# KiCad board pcb-rounded.kicad_pcb (continued)
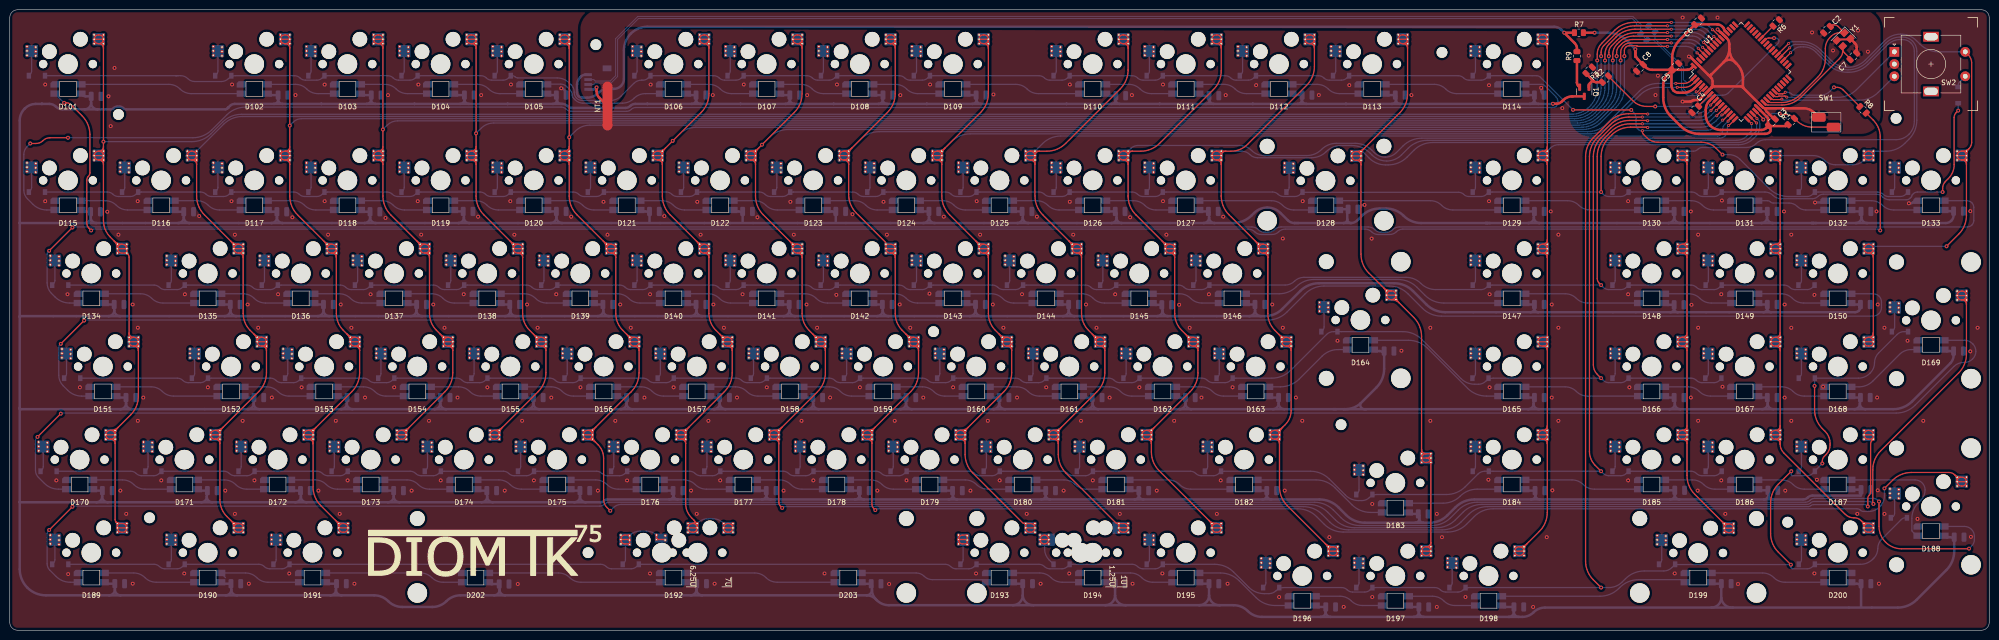
[diagram p0: board, top side]
## Routing (per net, layer and track width the routed paths; a pad name or vN(x,y) marks a point on that pad's centre or on a via; arc(x,y) is an arc through that point) (continued)
Net-(C2-Pad1): length 27.3
  Top w0.25: C2.1 372.47,123.75 arc(372.65,123.87) 372.86,123.91 373.11,123.91 arc(373.55,123.82) 373.92,123.57 374.5,123 arc(374.59,122.55) 374.21,122.29 arc(373.29,122.11) 372.5,121.58 372.25,121.34 arc(371.55,120.28) 371.3,119.03 371.3,117 arc(370.88,114.92) 369.7,113.15 366.16,109.61 arc(364.39,108.43) 362.31,108.01 360.19,108.01 arc(359.83,108.09) 359.52,108.29 U1.24
Net-(C4-Pad1): length 3.4
  Top w0.254: C4.1 347.76,109.7 arc(347.77,109.7) 347.77,109.7 U1.7
Net-(C7-Pad1): length 24.2
  Top w0.25: 376.36,117.04 375.2,118.2 arc(374.95,118.58) 374.85,119.04 374.85,118.61 arc(374.68,117.75) 374.2,117.02 366.27,109.1 arc(364.51,107.92) 362.43,107.51 359.53,107.51 arc(359.2,107.57) 358.92,107.76 U1.23
Net-(D1-Pad2): length 5.2
  Bottom w0.25: D1.2 4.19,113.79 arc(4.39,114.1) 4.47,114.46 MX1.2
Net-(D2-Pad2): length 5.2
  Bottom w0.25: MX2.2 42.57,114.46 arc(42.49,114.1) 42.29,113.79 D2.2
Net-(D3-Pad2): length 5.2
  Bottom w0.25: D3.2 61.34,113.79 arc(61.54,114.1) 61.62,114.46 MX3.2
Net-(D4-Pad2): length 5.2
  Bottom w0.25: MX4.2 80.67,114.46 arc(80.59,114.1) 80.39,113.79 D4.2
Net-(D5-Pad2): length 5.2
  Bottom w0.25: D5.2 99.44,113.79 arc(99.64,114.1) 99.72,114.46 MX5.2
Net-(D6-Pad2): length 5.2
  Bottom w0.25: D6.2 128.01,113.79 arc(128.22,114.1) 128.29,114.46 MX6.2
Net-(D7-Pad2): length 5.2
  Bottom w0.25: MX7.2 147.34,114.46 arc(147.27,114.1) 147.06,113.79 D7.2
Net-(D8-Pad2): length 5.2
  Bottom w0.25: 165.83,113.51 166.11,113.79 arc(166.32,114.1) 166.39,114.46 MX8.2
Net-(D9-Pad2): length 5.2
  Bottom w0.25: D9.2 185.16,113.79 arc(185.37,114.1) 185.44,114.46 MX9.2
Net-(D10-Pad2): length 5.2
  Bottom w0.25: MX10.2 214.02,114.46 arc(213.94,114.1) 213.74,113.79 D10.2
Net-(D11-Pad2): length 5.2
  Bottom w0.25: MX11.2 233.07,114.46 arc(232.99,114.1) 232.79,113.79 D11.2
Net-(D12-Pad2): length 5.2
  Bottom w0.25: D12.2 251.84,113.79 arc(252.04,114.1) 252.12,114.46 MX12.2
Net-(D13-Pad2): length 5.2
  Bottom w0.25: D13.2 270.89,113.79 arc(271.09,114.1) 271.17,114.46 MX13.2
Net-(D14-Pad2): length 5.2
  Bottom w0.25: MX14.2 299.74,114.46 arc(299.67,114.1) 299.46,113.79 D14.2
Net-(D15-Pad2): length 5.2
  Bottom w0.25: MX15.2 4.47,90.65 arc(4.39,90.28) 4.19,89.97 D15.2
Net-(D16-Pad2): length 5.2
  Bottom w0.25: MX16.2 23.52,90.65 arc(23.44,90.28) 23.24,89.97 D16.2
Net-(D17-Pad2): length 5.2
  Bottom w0.25: MX17.2 42.57,90.65 arc(42.49,90.28) 42.29,89.97 D17.2
Net-(D18-Pad2): length 5.2
  Bottom w0.25: D18.2 61.34,89.97 arc(61.54,90.28) 61.62,90.65 MX18.2
Net-(D19-Pad2): length 5.2
  Bottom w0.25: MX19.2 80.67,90.65 arc(80.59,90.28) 80.39,89.97 D19.2
Net-(D20-Pad2): length 5.2
  Bottom w0.25: D20.2 99.44,89.97 arc(99.64,90.28) 99.72,90.65 MX20.2
Net-(D21-Pad2): length 5.2
  Bottom w0.25: D21.2 118.49,89.97 arc(118.69,90.28) 118.77,90.65 MX21.2
Net-(D22-Pad2): length 5.2
  Bottom w0.25: D22.2 137.54,89.97 arc(137.74,90.28) 137.82,90.65 MX22.2
Net-(D23-Pad2): length 5.2
  Bottom w0.25: MX23.2 156.87,90.65 arc(156.79,90.28) 156.59,89.97 D23.2
Net-(D24-Pad2): length 5.2
  Bottom w0.25: MX24.2 175.92,90.65 arc(175.84,90.28) 175.64,89.97 D24.2
Net-(D25-Pad2): length 5.2
  Bottom w0.25: MX25.2 194.97,90.65 arc(194.89,90.28) 194.69,89.97 D25.2
Net-(D26-Pad2): length 5.2
  Bottom w0.25: D26.2 213.74,89.97 arc(213.94,90.28) 214.02,90.65 MX26.2
Net-(D27-Pad2): length 5.2
  Bottom w0.25: MX27.2 233.07,90.65 arc(232.99,90.28) 232.79,89.97 D27.2
Net-(D28-Pad2): length 5.2
  Bottom w0.25: MX28.2 261.64,90.65 arc(261.57,90.28) 261.36,89.97 D28.2
Net-(D29-Pad2): length 5.2
  Bottom w0.25: D29.2 299.46,89.97 arc(299.67,90.28) 299.74,90.65 MX29.2
Net-(D30-Pad2): length 5.2
  Bottom w0.25: D30.2 328.04,89.97 arc(328.24,90.28) 328.32,90.65 MX30.2
Net-(D31-Pad2): length 5.2
  Bottom w0.25: D31.2 347.09,89.97 arc(347.29,90.28) 347.37,90.65 MX31.2
Net-(D32-Pad2): length 5.2
  Bottom w0.25: D32.2 366.14,89.97 arc(366.34,90.28) 366.42,90.65 MX32.2
Net-(D33-Pad2): length 5.2
  Bottom w0.25: D33.2 385.19,89.97 arc(385.39,90.28) 385.47,90.65 MX33.2
Net-(D34-Pad2): length 5.2
  Bottom w0.25: MX34.2 9.23,71.6 arc(9.16,71.23) 8.95,70.92 D34.2
Net-(D35-Pad2): length 5.2
  Bottom w0.25: D35.2 32.76,70.92 arc(32.97,71.23) 33.04,71.6 MX35.2
Net-(D36-Pad2): length 5.2
  Bottom w0.25: MX36.2 52.09,71.6 arc(52.02,71.23) 51.81,70.92 D36.2
Net-(D37-Pad2): length 5.2
  Bottom w0.25: MX37.2 71.14,71.6 arc(71.07,71.23) 70.86,70.92 D37.2
Net-(D38-Pad2): length 5.2
  Bottom w0.25: MX38.2 90.19,71.6 arc(90.12,71.23) 89.91,70.92 D38.2
Net-(D39-Pad2): length 5.2
  Bottom w0.25: D39.2 108.96,70.92 arc(109.17,71.23) 109.24,71.6 MX39.2
Net-(D40-Pad2): length 5.2
  Bottom w0.25: MX40.2 128.29,71.6 arc(128.22,71.23) 128.01,70.92 D40.2
Net-(D41-Pad2): length 5.2
  Bottom w0.25: D41.2 147.06,70.92 arc(147.27,71.23) 147.34,71.6 MX41.2
Net-(D42-Pad2): length 5.2
  Bottom w0.25: D42.2 166.11,70.92 arc(166.32,71.23) 166.39,71.6 MX42.2
Net-(D43-Pad2): length 5.2
  Bottom w0.25: D43.2 185.16,70.92 arc(185.37,71.23) 185.44,71.6 MX43.2
Net-(D44-Pad2): length 5.2
  Bottom w0.25: MX44.2 204.49,71.6 arc(204.42,71.23) 204.21,70.92 D44.2
Net-(D45-Pad2): length 5.2
  Bottom w0.25: D45.2 223.26,70.92 arc(223.47,71.23) 223.54,71.6 MX45.2
Net-(D46-Pad2): length 5.2
  Bottom w0.25: MX46.2 242.59,71.6 arc(242.52,71.23) 242.31,70.92 D46.2
Net-(D47-Pad2): length 5.2
  Bottom w0.25: D47.2 299.46,70.92 arc(299.67,71.23) 299.74,71.6 MX47.2
Net-(D48-Pad2): length 5.2
  Bottom w0.25: MX48.2 328.32,71.6 arc(328.24,71.23) 328.04,70.92 D48.2
Net-(D49-Pad2): length 5.2
  Bottom w0.25: MX49.2 347.37,71.6 arc(347.29,71.23) 347.09,70.92 D49.2
Net-(D50-Pad2): length 5.2
  Bottom w0.25: MX50.2 366.42,71.6 arc(366.34,71.23) 366.14,70.92 365.86,70.64
Net-(D51-Pad2): length 5.2
  Bottom w0.25: MX51.2 11.61,52.55 arc(11.54,52.18) 11.33,51.87 11.05,51.59
Net-(D52-Pad2): length 5.2
  Bottom w0.25: MX52.2 37.8,52.55 arc(37.73,52.18) 37.52,51.87 D52.2
Net-(D53-Pad2): length 5.2
  Bottom w0.25: MX53.2 56.85,52.55 arc(56.78,52.18) 56.57,51.87 D53.2
Net-(D54-Pad2): length 5.2
  Bottom w0.25: D54.2 75.62,51.87 arc(75.83,52.18) 75.9,52.55 MX54.2
Net-(D55-Pad2): length 5.2
  Bottom w0.25: D55.2 94.67,51.87 arc(94.88,52.18) 94.95,52.55 MX55.2
Net-(D56-Pad2): length 5.2
  Bottom w0.25: MX56.2 114,52.55 arc(113.93,52.18) 113.72,51.87 D56.2
Net-(D57-Pad2): length 5.2
  Bottom w0.25: MX57.2 133.05,52.55 arc(132.98,52.18) 132.77,51.87 D57.2
Net-(D58-Pad2): length 5.2
  Bottom w0.25: MX58.2 152.1,52.55 arc(152.03,52.18) 151.82,51.87 D58.2
Net-(D59-Pad2): length 5.2
  Bottom w0.25: MX59.2 171.15,52.55 arc(171.08,52.18) 170.87,51.87 D59.2
Net-(D60-Pad2): length 5.2
  Bottom w0.25: MX60.2 190.2,52.55 arc(190.13,52.18) 189.92,51.87 D60.2
Net-(D61-Pad2): length 5.2
  Bottom w0.25: MX61.2 209.25,52.55 arc(209.18,52.18) 208.97,51.87 D61.2
Net-(D62-Pad2): length 5.2
  Bottom w0.25: MX62.2 228.3,52.55 arc(228.23,52.18) 228.02,51.87 D62.2
Net-(D63-Pad2): length 5.2
  Bottom w0.25: D63.2 247.07,51.87 arc(247.28,52.18) 247.35,52.55 MX63.2
Net-(D64-Pad2): length 5.2
  Bottom w0.25: MX64.2 268.79,62.07 arc(268.71,61.71) 268.51,61.4 D64.2
Net-(D65-Pad2): length 5.2
  Bottom w0.25: MX65.2 299.74,52.55 arc(299.67,52.18) 299.46,51.87 299.18,51.59
Net-(D66-Pad2): length 5.2
  Bottom w0.25: D66.2 328.04,51.87 arc(328.24,52.18) 328.32,52.55 MX66.2
Net-(D67-Pad2): length 5.2
  Bottom w0.25: MX67.2 347.37,52.55 arc(347.29,52.18) 347.09,51.87 346.81,51.59
Net-(D68-Pad2): length 5.2
  Bottom w0.25: MX68.2 366.42,52.55 arc(366.34,52.18) 366.14,51.87 D68.2
Net-(D69-Pad2): length 5.2
  Bottom w0.25: D69.2 385.19,61.4 arc(385.39,61.71) 385.47,62.07 MX69.2
Net-(D70-Pad2): length 5.2
  Bottom w0.25: MX70.2 6.85,33.5 arc(6.77,33.13) 6.57,32.82 D70.2
Net-(D71-Pad2): length 5.2
  Bottom w0.25: D71.2 28,32.82 arc(28.21,33.13) 28.28,33.5 MX71.2
Net-(D72-Pad2): length 5.2
  Bottom w0.25: MX72.2 47.33,33.5 arc(47.26,33.13) 47.05,32.82 D72.2
Net-(D73-Pad2): length 5.2
  Bottom w0.25: MX73.2 66.38,33.5 arc(66.31,33.13) 66.1,32.82 D73.2
Net-(D74-Pad2): length 5.2
  Bottom w0.25: D74.2 85.15,32.82 arc(85.36,33.13) 85.43,33.5 MX74.2
Net-(D75-Pad2): length 5.2
  Bottom w0.25: D75.2 104.2,32.82 arc(104.41,33.13) 104.48,33.5 MX75.2
Net-(D76-Pad2): length 5.2
  Bottom w0.25: MX76.2 123.53,33.5 arc(123.46,33.13) 123.25,32.82 D76.2
Net-(D77-Pad2): length 5.2
  Bottom w0.25: D77.2 142.3,32.82 arc(142.51,33.13) 142.58,33.5 MX77.2
Net-(D78-Pad2): length 5.2
  Bottom w0.25: MX78.2 161.63,33.5 arc(161.56,33.13) 161.35,32.82 D78.2
Net-(D79-Pad2): length 5.2
  Bottom w0.25: D79.2 180.4,32.82 arc(180.61,33.13) 180.68,33.5 MX79.2
Net-(D80-Pad2): length 5.2
  Bottom w0.25: MX80.2 199.73,33.5 arc(199.66,33.13) 199.45,32.82 D80.2
Net-(D81-Pad2): length 5.2
  Bottom w0.25: MX81.2 218.78,33.5 arc(218.71,33.13) 218.5,32.82 D81.2
Net-(D82-Pad2): length 5.2
  Bottom w0.25: D82.2 244.69,32.82 arc(244.9,33.13) 244.97,33.5 MX82.2
Net-(D83-Pad2): length 5.2
  Bottom w0.25: MX83.2 275.93,28.74 arc(275.86,28.37) 275.65,28.06 D83.2
Net-(D84-Pad2): length 5.2
  Bottom w0.25: D84.2 299.46,32.82 arc(299.67,33.13) 299.74,33.5 MX84.2
Net-(D85-Pad2): length 5.2
  Bottom w0.25: MX85.2 328.32,33.5 arc(328.24,33.13) 328.04,32.82 D85.2
Net-(D86-Pad2): length 5.2
  Bottom w0.25: MX86.2 347.37,33.5 arc(347.29,33.13) 347.09,32.82 D86.2
Net-(D87-Pad2): length 5.2
  Bottom w0.25: MX87.2 366.42,33.5 arc(366.34,33.13) 366.14,32.82 D87.2
Net-(D88-Pad2): length 5.2
  Bottom w0.25: 384.91,23.02 385.19,23.3 arc(385.39,23.61) 385.47,23.97 MX88.2
Net-(D89-Pad2): length 5.2
  Bottom w0.25: D89.2 8.95,13.77 arc(9.16,14.08) 9.23,14.45 MX89.2
Net-(D90-Pad2): length 5.2
  Bottom w0.25: MX90.2 33.04,14.45 arc(32.97,14.08) 32.76,13.77 D90.2
Net-(D91-Pad2): length 5.2
  Bottom w0.25: D91.2 54.19,13.77 arc(54.4,14.08) 54.47,14.45 MX91.2
Net-(D92-Pad2): length 24.4
  Top w0.254: MX92.2 126.69,18.51 arc(126.62,18.55) 126.55,18.57 MX92.2 ; MX92.2 133.98,18.51 arc(133.91,18.55) 133.83,18.57 132.71,18.57 arc(132.39,18.7) 132.26,19.02 MX92.2 ; 126.75,19.27 126.75,17.63 arc(126.73,17.6) 126.69,17.61 arc(126.62,17.65) 126.55,17.67 125.8,17.67 arc(125.21,17.91) 124.97,18.5 124.97,18.64 arc(125.21,19.23) 125.8,19.47 126.55,19.47 arc(126.62,19.45) 126.69,19.41 arc(126.73,19.34) 126.75,19.27
  Bottom w0.254: D92.2 125.63,13.77 arc(125.84,14.08) 125.91,14.45 125.91,17.29 arc(126.14,18.44) 126.79,19.41 arc(127.76,20.06) 128.91,20.29 130.2,20.29 arc(131.35,20.06) 132.32,19.41 133.2,18.54
Net-(D93-Pad2): length 13.5
  Top w0.254: MX93.2 195.6,18.57 arc(195.68,18.55) 195.75,18.51 MX93.2 ; 194.03,18.64 194.03,18.5 arc(194.27,17.91) 194.86,17.67 195.6,17.67 arc(195.68,17.65) 195.75,17.61 arc(195.78,17.6) 195.81,17.63 195.81,19.27 arc(195.79,19.34) 195.75,19.41 arc(195.68,19.45) 195.6,19.47 194.86,19.47 arc(194.27,19.23) 194.03,18.64
  Bottom w0.254: D93.2 194.69,13.77 arc(194.89,14.08) 194.97,14.45 MX93.2
Net-(D94-Pad2): length 13.1
  Top w0.254: 210.7,18.57 212.42,18.57 arc(212.44,18.57) 212.46,18.55 MX94.2 ; 212.48,18.58 212.48,18.56 arc(212.21,17.93) 211.59,17.67 arc(210.96,17.93) 210.7,18.56 210.7,18.58 arc(210.96,19.21) 211.59,19.47 arc(212.21,19.21) 212.48,18.58
  Bottom w0.25: D94.2 212.55,14.4 arc(211.87,15.41) 211.64,16.6 211.64,18.54
Net-(D95-Pad2): length 5.2
  Bottom w0.25: D95.2 232.79,13.77 arc(232.99,14.08) 233.07,14.45 MX95.2
Net-(D96-Pad2): length 5.2
  Bottom w0.25: D96.2 256.6,9.01 arc(256.81,9.32) 256.88,9.69 MX96.2
Net-(D97-Pad2): length 5.2
  Bottom w0.25: MX97.2 275.93,9.69 arc(275.86,9.32) 275.65,9.01 D97.2
Net-(D98-Pad2): length 5.2
  Bottom w0.25: D98.2 294.7,9.01 arc(294.91,9.32) 294.98,9.69 MX98.2
Net-(D99-Pad2): length 5.2
  Bottom w0.25: D99.2 337.56,13.77 arc(337.77,14.08) 337.84,14.45 MX99.2
Net-(D100-Pad2): length 5.2
  Bottom w0.25: MX100.2 366.42,14.45 arc(366.34,14.08) 366.14,13.77 D100.2
Net-(D101-Pad2): length 33.3
  Bottom w0.254: D102.4 37.11,109.84 arc(35.87,110.08) 34.82,110.79 arc(33.77,111.49) 32.53,111.73 D101.2
Net-(D101-Pad4): length 424
  Top w0.254: v1(16.64,81.83) 16.19,82.28 arc(15.86,82.77) 15.75,83.35 15.75,92.12 arc(15.83,92.54) 16.07,92.89 arc(16.3,93.24) 16.38,93.66 16.38,101.44 arc(15.97,103.52) 14.79,105.29 12.49,107.59 arc(12.09,107.86) 11.62,107.95 v1(11.11,107.95) ; R8.2 381.08,104.43 arc(382.15,102.83) 382.52,100.95 v1(382.52,81.83)
  Bottom w0.254: D101.4 9.23,109.83 arc(9.23,109.83) 9.23,109.83 v1(11.11,107.95) ; v1(382.52,81.83) 382.39,81.97 arc(382.24,82.07) 382.06,82.11 284.89,82.11 arc(284.17,81.96) 283.57,81.56 arc(282.96,81.15) 282.24,81.01 279.82,81.01 arc(279.1,81.15) 278.49,81.56 arc(277.88,81.96) 277.16,82.11 260.83,82.11 arc(260.11,81.96) 259.5,81.56 arc(258.89,81.15) 258.18,81.01 255.93,81.01 arc(255.21,81.15) 254.6,81.56 arc(253.99,81.96) 253.27,82.11 17.1,82.11 arc(16.92,82.07) 16.77,81.97 v1(16.64,81.83)
Net-(D102-Pad2): length 14.2
  Bottom w0.254: D103.4 63.02,109.84 arc(61.78,110.08) 60.73,110.79 arc(59.68,111.49) 58.44,111.73 D102.2
Net-(D103-Pad2): length 14.2
  Bottom w0.254: D104.4 81.3,109.84 arc(80.07,110.08) 79.02,110.79 arc(77.97,111.49) 76.73,111.73 D103.2
Net-(D104-Pad2): length 14.2
  Bottom w0.254: D105.4 100.23,109.84 arc(98.99,110.08) 97.94,110.79 arc(96.89,111.49) 95.65,111.73 D104.2
Net-(D105-Pad2): length 25.7
  Bottom w0.254: D105.2 109.85,111.76 arc(109.88,111.77) 109.91,111.78 112.68,111.78 arc(113.33,111.65) 113.88,111.28 114.64,110.52 arc(114.9,110.14) 114.99,109.68 arc(115.08,109.23) 115.34,108.85 115.64,108.54 arc(116.37,108.06) 117.22,107.89 125.29,107.89 arc(126.56,108.14) 127.64,108.86 arc(128.72,109.58) 130,109.84 D106.4
Net-(D106-Pad2): length 14.2
  Bottom w0.254: D107.4 147.6,109.84 arc(146.36,110.08) 145.31,110.79 arc(144.26,111.49) 143.02,111.73 D106.2
Net-(D107-Pad2): length 14.2
  Bottom w0.254: D108.4 166.39,109.84 arc(165.16,110.08) 164.11,110.79 arc(163.06,111.49) 161.82,111.73 D107.2
Net-(D108-Pad2): length 14.2
  Bottom w0.254: D108.2 181.12,111.73 arc(182.36,111.49) 183.41,110.79 arc(184.46,110.08) 185.7,109.84 D109.4
Net-(D109-Pad2): length 23.7
  Bottom w0.254: D110.4 210.34,109.84 arc(209.1,110.08) 208.05,110.79 arc(207,111.49) 205.76,111.73 D109.2
Net-(D110-Pad2): length 14.2
  Bottom w0.254: D110.2 228.88,111.73 arc(230.11,111.49) 231.16,110.79 arc(232.21,110.08) 233.45,109.84 D111.4
Net-(D111-Pad2): length 14.2
  Bottom w0.254: D112.4 252.88,109.84 arc(251.64,110.08) 250.59,110.79 arc(249.54,111.49) 248.31,111.73 D111.2
Net-(D112-Pad2): length 14.2
  Bottom w0.254: D113.4 271.93,109.84 arc(270.69,110.08) 269.64,110.79 arc(268.59,111.49) 267.36,111.73 D112.2
Net-(D113-Pad2): length 23.7
  Bottom w0.254: D114.4 295.93,109.84 arc(294.7,110.08) 293.65,110.79 arc(292.6,111.49) 291.36,111.73 D113.2
Net-(D114-Pad2): length 342.9
  Top w0.254: v1(4.19,99.63) 5.37,99.63 arc(6.14,99.78) 6.79,100.22 arc(7.44,100.65) 8.21,100.81 v1(11.91,100.81)
  Bottom w0.254: v1(4.19,99.63) 3.53,98.97 arc(3.05,98.24) 2.87,97.38 2.87,90.07 arc(3.06,89.12) 3.6,88.32 4.71,87.21 arc(6.02,86.33) 7.56,86.03 D115.4 ; v1(11.91,100.81) 37.45,100.81 arc(39.54,101.22) 41.3,102.4 44.39,105.49 arc(46.15,106.67) 48.23,107.08 112.75,107.08 arc(113.32,106.97) 113.8,106.65 arc(114.28,106.33) 114.85,106.21 126.14,106.21 arc(126.66,106.31) 127.09,106.61 arc(127.53,106.9) 128.04,107 315.53,107 arc(315.94,107.08) 316.29,107.32 arc(316.53,107.67) 316.61,108.08 316.61,108.2 arc(316.51,108.73) 316.21,109.18 313.93,111.46 arc(313.62,111.66) 313.27,111.73 D114.2
Net-(D115-Pad2): length 14.2
  Bottom w0.254: D116.4 24.09,86.03 arc(22.85,86.27) 21.8,86.97 arc(20.75,87.67) 19.52,87.92 D115.2
Net-(D116-Pad2): length 14.2
  Bottom w0.254: D117.4 42.89,86.03 arc(41.65,86.27) 40.6,86.97 arc(39.55,87.67) 38.31,87.92 D116.2
Net-(D117-Pad2): length 14.2
  Bottom w0.254: D117.2 58,87.92 arc(59.23,87.67) 60.28,86.97 arc(61.33,86.27) 62.57,86.03 D118.4
Net-(D118-Pad2): length 14.2
  Bottom w0.254: D119.4 80.73,86.03 arc(79.49,86.27) 78.45,86.97 arc(77.4,87.67) 76.16,87.92 D118.2
Net-(D119-Pad2): length 14.2
  Bottom w0.254: D120.4 99.91,86.03 arc(98.67,86.27) 97.62,86.97 arc(96.57,87.67) 95.33,87.92 D119.2
Net-(D120-Pad2): length 14.2
  Bottom w0.254: D121.4 119.47,86.03 arc(118.23,86.27) 117.18,86.97 arc(116.13,87.67) 114.89,87.92 D120.2
Net-(D121-Pad2): length 14.2
  Bottom w0.254: D122.4 138.01,86.03 arc(136.77,86.27) 135.72,86.97 arc(134.67,87.67) 133.43,87.92 D121.2
Net-(D122-Pad2): length 14.2
  Bottom w0.254: D122.2 152.36,87.92 arc(153.6,87.67) 154.65,86.97 arc(155.69,86.27) 156.93,86.03 D123.4
Net-(D123-Pad2): length 14.2
  Bottom w0.254: D123.2 172.8,87.92 arc(174.04,87.67) 175.09,86.97 arc(176.14,86.27) 177.38,86.03 D124.4
Net-(D124-Pad2): length 14.2
  Bottom w0.254: D125.4 195.41,86.03 arc(194.18,86.27) 193.13,86.97 arc(192.08,87.67) 190.84,87.92 D124.2
Net-(D125-Pad2): length 14.2
  Bottom w0.254: D125.2 210.02,87.92 arc(211.25,87.67) 212.3,86.97 arc(213.35,86.27) 214.59,86.03 D126.4
Net-(D126-Pad2): length 14.2
  Bottom w0.254: D127.4 234.4,86.03 arc(233.16,86.27) 232.12,86.97 arc(231.07,87.67) 229.83,87.92 D126.2
Net-(D127-Pad2): length 23.7
  Bottom w0.254: D127.2 258.02,87.92 arc(259.26,87.67) 260.31,86.97 arc(261.36,86.27) 262.6,86.03 D128.4
Net-(D128-Pad2): length 33.3
  Bottom w0.254: D128.2 290.53,87.92 arc(291.77,87.67) 292.82,86.97 arc(293.87,86.27) 295.11,86.03 D129.4
Net-(D129-Pad2): length 23.7
  Bottom w0.254: D130.4 323.18,86.03 arc(321.94,86.27) 320.89,86.97 arc(319.84,87.67) 318.6,87.92 D129.2
Net-(D130-Pad2): length 14.2
  Bottom w0.254: D130.2 343.87,87.92 arc(345.11,87.67) 346.16,86.97 arc(347.21,86.27) 348.45,86.03 D131.4
Net-(D131-Pad2): length 14.2
  Bottom w0.254: D131.2 359.48,87.92 arc(359.79,87.86) 360.06,87.68 arc(360.32,87.5) 360.64,87.44 363.87,87.44 arc(364.79,87.26) 365.58,86.73 arc(366.36,86.21) 367.29,86.03 D132.4
Net-(D132-Pad2): length 14.2
  Bottom w0.254: D132.2 380.7,87.92 arc(381.94,87.67) 382.99,86.97 arc(384.04,86.27) 385.28,86.03 D133.4
Net-(D133-Pad2): length 422.3
  Top w0.254: v1(12.82,82.43) v1(8.05,77.67)
  Bottom w0.254: D133.2 400.26,87.92 arc(400.8,87.81) 401.25,87.51 arc(401.55,87.06) 401.66,86.53 401.66,83.88 arc(401.55,83.37) 401.27,82.94 arc(400.83,82.65) 400.32,82.55 284.15,82.55 arc(283.43,82.41) 282.82,82 arc(282.21,81.59) 281.49,81.45 280.48,81.45 arc(279.77,81.59) 279.16,82 arc(278.55,82.41) 277.83,82.55 260,82.55 arc(259.28,82.41) 258.68,82 arc(258.07,81.59) 257.35,81.45 256.67,81.45 arc(255.95,81.59) 255.34,82 arc(254.73,82.41) 254.02,82.55 13.02,82.55 arc(12.94,82.53) 12.88,82.49 v1(12.82,82.43) ; v1(8.05,77.67) 7.85,77.46 arc(7.69,77.23) 7.64,76.96 7.64,71.09 arc(7.87,69.93) 8.53,68.94 9.26,68.21 arc(10.63,67.3) 12.24,66.98 D134.4
Net-(D134-Pad2): length 19
  Bottom w0.254: D134.2 26.75,68.87 arc(27.99,68.62) 29.04,67.92 arc(30.09,67.22) 31.33,66.98 D135.4
Net-(D135-Pad2): length 14.2
  Bottom w0.254: D135.2 47.71,68.87 arc(48.95,68.62) 50,67.92 arc(51.05,67.22) 52.28,66.98 D136.4
Net-(D136-Pad2): length 14.2
  Bottom w0.254: D136.2 67.39,68.87 arc(68.63,68.62) 69.68,67.92 arc(70.73,67.22) 71.97,66.98 D137.4
Net-(D137-Pad2): length 14.2
  Bottom w0.254: D138.4 90.89,66.98 arc(89.65,67.22) 88.61,67.92 arc(87.56,68.62) 86.32,68.87 D137.2
Net-(D138-Pad2): length 14.2
  Bottom w0.254: D138.2 105.24,68.87 arc(106.48,68.62) 107.53,67.92 arc(108.58,67.22) 109.82,66.98 D139.4
Net-(D139-Pad2): length 14.2
  Bottom w0.254: D139.2 124.29,68.87 arc(125.53,68.62) 126.58,67.92 arc(127.63,67.22) 128.87,66.98 D140.4
Net-(D140-Pad2): length 14.2
  Bottom w0.254: D141.4 147.41,66.98 arc(146.17,67.22) 145.12,67.92 arc(144.07,68.62) 142.83,68.87 D140.2
Net-(D141-Pad2): length 14.2
  Bottom w0.254: D141.2 162.64,68.87 arc(163.88,68.62) 164.93,67.92 arc(165.98,67.22) 167.22,66.98 D142.4
Net-(D142-Pad2): length 14.2
  Bottom w0.254: D143.4 185.63,66.98 arc(184.4,67.22) 183.35,67.92 arc(182.3,68.62) 181.06,68.87 D142.2
Net-(D143-Pad2): length 14.2
  Bottom w0.254: D144.4 205.32,66.98 arc(204.08,67.22) 203.03,67.92 arc(201.98,68.62) 200.74,68.87 D143.2
Net-(D144-Pad2): length 14.2
  Bottom w0.254: D144.2 219.29,68.87 arc(220.52,68.62) 221.57,67.92 arc(222.62,67.22) 223.86,66.98 D145.4
Net-(D145-Pad2): length 14.2
  Bottom w0.254: D145.2 239.23,68.87 arc(240.46,68.62) 241.51,67.92 arc(242.56,67.22) 243.8,66.98 D146.4
Net-(D146-Pad2): length 54.1
  Bottom w0.254: D146.2 259.61,68.87 arc(261.51,69.25) 263.13,70.33 arc(264.74,71.41) 266.65,71.79 283.94,71.79 arc(286.02,71.37) 287.79,70.19 289.41,68.57 arc(291.18,67.39) 293.26,66.98 D147.4
Net-(D147-Pad2): length 23.7
  Bottom w0.254: D148.4 322.67,66.98 arc(321.43,67.22) 320.38,67.92 arc(319.33,68.62) 318.09,68.87 D147.2
Net-(D148-Pad2): length 14.2
  Bottom w0.254: D149.4 347.94,66.98 arc(346.7,67.22) 345.65,67.92 arc(344.6,68.62) 343.37,68.87 D148.2
Net-(D149-Pad2): length 14.2
  Bottom w0.254: D150.4 366.86,66.98 arc(365.63,67.22) 364.58,67.92 arc(363.53,68.62) 362.29,68.87 D149.2
Net-(D150-Pad2): length 403.3
  Top w0.254: v1(15.2,63.38) v1(10.44,58.62)
  Bottom w0.254: D150.2 381.09,68.87 arc(381.74,68.74) 382.28,68.38 arc(382.65,67.83) 382.78,67.18 382.78,66.08 arc(382.64,65.4) 382.25,64.82 arc(381.67,64.43) 380.99,64.29 292.77,64.29 arc(290.68,64.71) 288.92,65.89 285.94,68.86 arc(284.18,70.04) 282.1,70.46 268.77,70.46 arc(266.68,70.04) 264.92,68.86 261.15,65.09 arc(259.38,63.91) 257.3,63.5 15.4,63.5 arc(15.32,63.48) 15.26,63.44 v1(15.2,63.38) ; D151.4 14.7,47.93 arc(13.16,48.23) 11.85,49.11 10.91,50.05 arc(10.25,51.04) 10.02,52.2 10.02,57.91 arc(10.07,58.18) 10.23,58.41 v1(10.44,58.62)
Net-(D151-Pad2): length 21.4
  Bottom w0.254: D152.4 33.49,47.93 arc(32.25,48.17) 31.2,48.87 arc(30.15,49.57) 28.91,49.82 D151.2
Net-(D152-Pad2): length 14.2
  Bottom w0.254: D153.4 57.11,47.93 arc(55.87,48.17) 54.82,48.87 arc(53.77,49.57) 52.54,49.82 D152.2
Net-(D153-Pad2): length 14.2
  Bottom w0.254: D154.4 76.92,47.93 arc(75.68,48.17) 74.64,48.87 arc(73.59,49.57) 72.35,49.82 D153.2
Net-(D154-Pad2): length 14.2
  Bottom w0.254: D155.4 96.35,47.93 arc(95.12,48.17) 94.07,48.87 arc(93.02,49.57) 91.78,49.82 D154.2
Net-(D155-Pad2): length 14.2
  Bottom w0.254: D156.4 115.28,47.93 arc(114.04,48.17) 112.99,48.87 arc(111.94,49.57) 110.7,49.82 D155.2
Net-(D156-Pad2): length 14.2
  Bottom w0.254: D157.4 133.69,47.93 arc(132.45,48.17) 131.4,48.87 arc(130.35,49.57) 129.12,49.82 D156.2
Net-(D157-Pad2): length 14.2
  Bottom w0.254: D158.4 153,47.93 arc(151.76,48.17) 150.71,48.87 arc(149.66,49.57) 148.42,49.82 D157.2
Net-(D158-Pad2): length 14.2
  Bottom w0.254: D159.4 172.17,47.93 arc(170.93,48.17) 169.89,48.87 arc(168.84,49.57) 167.6,49.82 D158.2
Net-(D159-Pad2): length 14.2
  Bottom w0.254: D159.2 186.65,49.82 arc(187.89,49.57) 188.94,48.87 arc(189.98,48.17) 191.22,47.93 D160.4
Net-(D160-Pad2): length 14.2
  Bottom w0.254: D161.4 210.53,47.93 arc(209.29,48.17) 208.24,48.87 arc(207.19,49.57) 205.95,49.82 D160.2
Net-(D161-Pad2): length 14.2
  Bottom w0.254: D162.4 229.45,47.93 arc(228.21,48.17) 227.16,48.87 arc(226.11,49.57) 224.87,49.82 D161.2
Net-(D162-Pad2): length 14.2
  Bottom w0.254: D163.4 248.25,47.93 arc(247.01,48.17) 245.96,48.87 arc(244.91,49.57) 243.67,49.82 D162.2
Net-(D163-Pad2): length 18.8
  Bottom w0.254: D163.2 259.85,49.82 arc(261.93,50.23) 263.69,51.41 268.38,56.1 arc(269.88,57.1) 271.64,57.45 D164.4
Net-(D164-Pad2): length 29.9
  Bottom w0.254: D165.4 301.99,47.93 arc(299.91,48.34) 298.14,49.52 289.91,57.75 arc(288.15,58.93) 286.06,59.35 D164.2
Net-(D165-Pad2): length 23.7
  Bottom w0.254: D165.2 318.09,49.82 arc(319.33,49.57) 320.38,48.87 arc(321.43,48.17) 322.67,47.93 D166.4
Net-(D166-Pad2): length 14.2
  Bottom w0.254: D166.2 343.24,49.82 arc(344.48,49.57) 345.53,48.87 arc(346.58,48.17) 347.81,47.93 D167.4
Net-(D167-Pad2): length 14.2
  Bottom w0.254: D168.4 366.99,47.93 arc(365.75,48.17) 364.7,48.87 arc(363.65,49.57) 362.42,49.82 D167.2
Net-(D168-Pad2): length 16.5
  Bottom w0.254: D168.2 378.18,49.82 arc(379.7,50.12) 381,50.99 386.48,56.47 arc(387.56,57.2) 388.85,57.45 D169.4
Net-(D169-Pad2): length 426.6
  Top w0.254: v1(5.67,39.57) v1(10.44,44.33)
  Bottom w0.254: v1(10.44,44.33) 10.49,44.39 arc(10.56,44.43) 10.64,44.45 385.79,44.45 arc(387.88,44.86) 389.64,46.04 397.59,53.99 arc(398.49,54.59) 399.54,54.8 399.7,54.8 arc(400.61,54.98) 401.38,55.5 401.45,55.57 arc(401.92,56.27) 402.08,57.09 arc(401.92,57.91) 401.45,58.6 401.4,58.66 arc(400.64,59.17) 399.74,59.35 D169.2 ; D170.4 9.94,28.88 arc(8.4,29.18) 7.09,30.06 5.87,31.28 arc(5.41,31.96) 5.26,32.76 5.26,38.86 arc(5.31,39.13) 5.46,39.36 v1(5.67,39.57)
Net-(D170-Pad2): length 16.6
  Bottom w0.254: D171.4 27.65,28.88 arc(26.41,29.12) 25.36,29.82 arc(24.31,30.52) 23.07,30.77 D170.2
Net-(D171-Pad2): length 14.2
  Bottom w0.254: D171.2 43.9,30.77 arc(45.14,30.52) 46.19,29.82 arc(47.24,29.12) 48.47,28.88 D172.4
Net-(D172-Pad2): length 14.2
  Bottom w0.254: D172.2 62.44,30.77 arc(63.68,30.52) 64.73,29.82 arc(65.78,29.12) 67.02,28.88 D173.4
Net-(D173-Pad2): length 14.2
  Bottom w0.254: D173.2 81.24,30.77 arc(82.48,30.52) 83.53,29.82 arc(84.57,29.12) 85.81,28.88 D174.4
Net-(D174-Pad2): length 14.2
  Bottom w0.254: D174.2 100.03,30.77 arc(101.27,30.52) 102.32,29.82 arc(103.37,29.12) 104.61,28.88 D175.4
Net-(D175-Pad2): length 14.2
  Bottom w0.254: D176.4 124.42,28.88 arc(123.18,29.12) 122.13,29.82 arc(121.08,30.52) 119.85,30.77 D175.2
Net-(D176-Pad2): length 14.2
  Bottom w0.254: D176.2 137.88,30.77 arc(139.12,30.52) 140.17,29.82 arc(141.22,29.12) 142.45,28.88 D177.4
Net-(D177-Pad2): length 14.2
  Bottom w0.254: D177.2 157.44,30.77 arc(158.68,30.52) 159.73,29.82 arc(160.77,29.12) 162.01,28.88 D178.4
Net-(D178-Pad2): length 14.2
  Bottom w0.254: D178.2 176.11,30.77 arc(177.34,30.52) 178.39,29.82 arc(179.44,29.12) 180.68,28.88 D179.4
Net-(D179-Pad2): length 14.2
  Bottom w0.254: D180.4 199.99,28.88 arc(198.75,29.12) 197.7,29.82 arc(196.65,30.52) 195.41,30.77 D179.2
